# KiCad board WLED Matrix.kicad_pcb (continued)
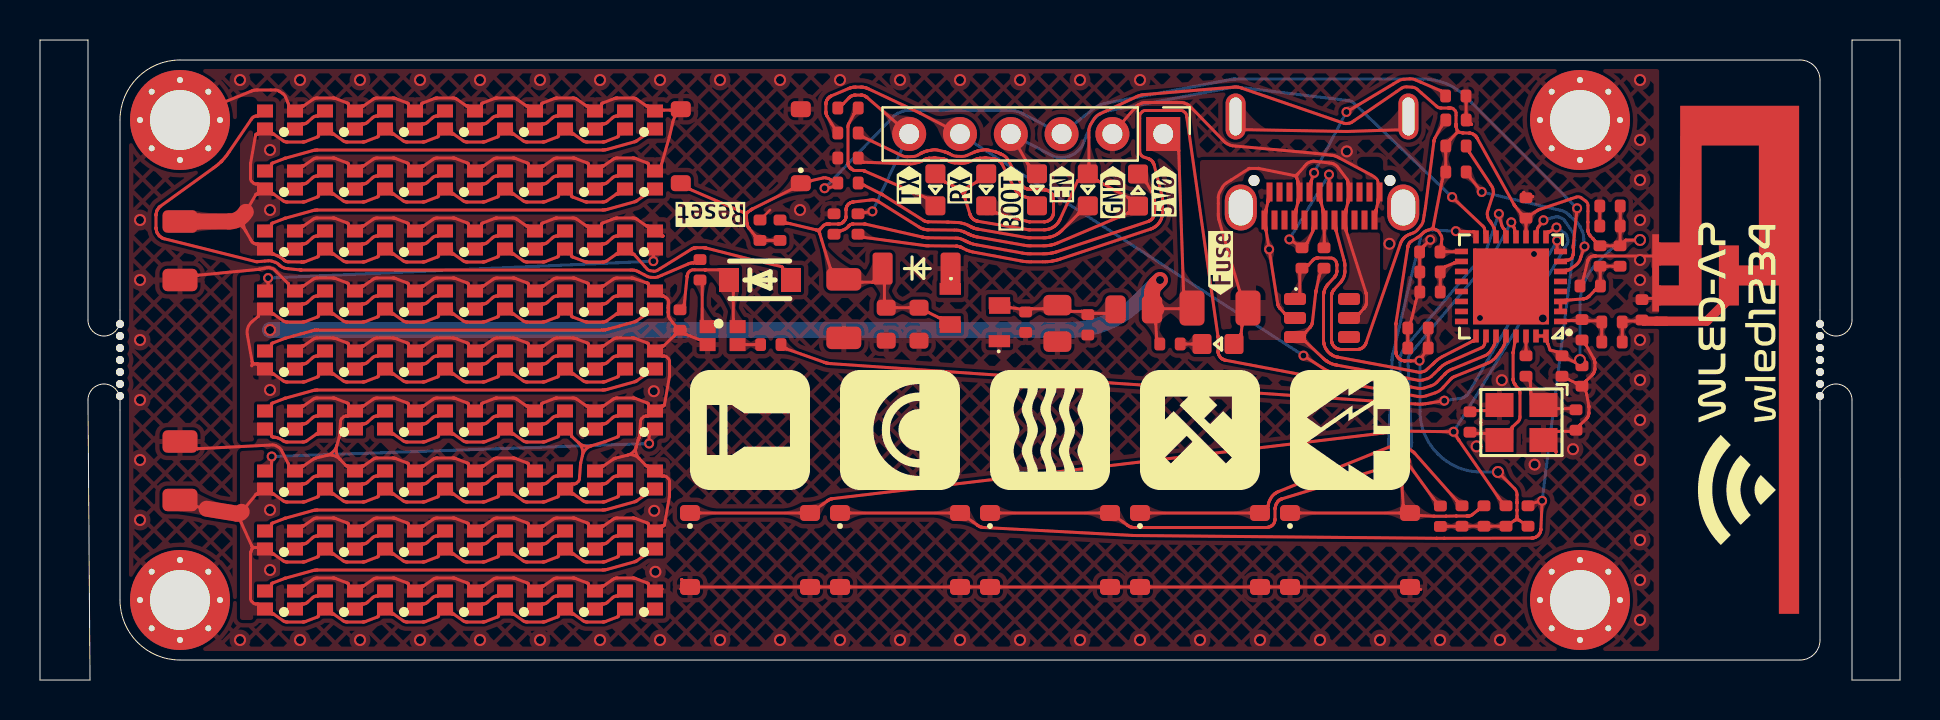
[diagram p0: board, top side]
## Routing (per net, layer and track width the routed paths; a pad name or vN(x,y) marks a point on that pad's centre or on a via; arc(x,y) is an arc through that point) (continued)
Net-(RGB56-DO): length 1.8
  Top w0.15: RGB56.1 28.05,6.78 arc(28.08,6.79) 28.11,6.8 28.18,6.8 arc(28.21,6.8) 28.24,6.81 28.29,6.83 arc(28.32,6.84) 28.34,6.86 28.66,7.14 arc(28.68,7.16) 28.71,7.17 28.76,7.19 arc(28.79,7.2) 28.82,7.2 28.89,7.2 arc(28.92,7.21) 28.95,7.22 RGB57.4
Net-(RGB57-DO): length 20.1
  Top w0.15: RGB57.1 30.45,6.32 arc(30.42,6.31) 30.39,6.3 30.34,6.3 arc(30.34,6.3) 30.33,6.3 30.32,6.29 arc(30.32,6.29) 30.31,6.29 arc(30.31,6.29) 30.3,6.28 29.82,5.95 arc(29.81,5.94) 29.8,5.94 29.78,5.92 arc(29.76,5.92) 29.75,5.92 29.72,5.91 28.37,5.53 28.32,5.52 arc(28.3,5.51) 28.27,5.51 28.22,5.5 arc(28.2,5.5) 28.17,5.5 13.83,5.5 arc(13.8,5.5) 13.78,5.5 13.73,5.49 arc(13.7,5.49) 13.68,5.48 13.63,5.47 12.27,5.09 arc(12.26,5.09) 12.26,5.09 arc(12.26,5.09) 12.25,5.08 12.24,5.08 arc(12.24,5.08) 12.24,5.08 arc(12.23,5.08) 12.23,5.08 11.61,4.84 arc(11.6,4.84) 11.59,4.83 11.58,4.81 arc(11.58,4.8) 11.57,4.79 11.57,4.74 arc(11.57,4.7) 11.55,4.68 RGB58.4
Net-(RGB58-DO): length 1.8
  Top w0.15: RGB59.4 13.95,4.22 arc(13.92,4.21) 13.89,4.2 13.82,4.2 arc(13.79,4.2) 13.76,4.19 13.71,4.17 arc(13.68,4.16) 13.66,4.14 13.34,3.86 arc(13.32,3.84) 13.29,3.83 13.24,3.81 arc(13.21,3.8) 13.18,3.8 13.11,3.8 arc(13.08,3.79) 13.05,3.78 RGB58.1
Net-(RGB59-DO): length 1.8
  Top w0.15: RGB59.1 16.05,3.78 arc(16.08,3.79) 16.11,3.8 16.18,3.8 arc(16.21,3.8) 16.24,3.81 16.29,3.83 arc(16.32,3.84) 16.34,3.86 16.66,4.14 arc(16.68,4.16) 16.71,4.17 16.76,4.19 arc(16.79,4.2) 16.82,4.2 16.89,4.2 arc(16.92,4.21) 16.95,4.22 RGB60.4
Net-(RGB60-DO): length 1.8
  Top w0.15: RGB60.1 19.05,3.78 arc(19.08,3.79) 19.11,3.8 19.18,3.8 arc(19.21,3.8) 19.24,3.81 19.29,3.83 arc(19.32,3.84) 19.34,3.86 19.66,4.14 arc(19.68,4.16) 19.71,4.17 19.76,4.19 arc(19.79,4.2) 19.82,4.2 19.89,4.2 arc(19.92,4.21) 19.95,4.22 RGB61.4
Net-(RGB61-DO): length 1.8
  Top w0.15: RGB61.1 22.05,3.78 arc(22.08,3.79) 22.11,3.8 22.18,3.8 arc(22.21,3.8) 22.24,3.81 22.29,3.83 arc(22.32,3.84) 22.34,3.86 22.66,4.14 arc(22.68,4.16) 22.71,4.17 22.76,4.19 arc(22.79,4.2) 22.82,4.2 22.89,4.2 arc(22.92,4.21) 22.95,4.22 RGB62.4
Net-(RGB62-DO): length 1.8
  Top w0.15: RGB62.1 25.05,3.78 arc(25.08,3.79) 25.11,3.8 25.18,3.8 arc(25.21,3.8) 25.24,3.81 25.29,3.83 arc(25.32,3.84) 25.34,3.86 25.66,4.14 arc(25.68,4.16) 25.71,4.17 25.76,4.19 arc(25.79,4.2) 25.82,4.2 25.89,4.2 arc(25.92,4.21) 25.95,4.22 RGB63.4
Net-(RGB63-DO): length 1.8
  Top w0.15: RGB63.1 28.05,3.78 arc(28.08,3.79) 28.11,3.8 28.18,3.8 arc(28.21,3.8) 28.24,3.81 28.29,3.83 arc(28.32,3.84) 28.34,3.86 28.66,4.14 arc(28.68,4.16) 28.71,4.17 28.76,4.19 arc(28.79,4.2) 28.82,4.2 28.89,4.2 arc(28.92,4.21) 28.95,4.22 RGB64.4
Net-(U3-GPIO2): length 9.5
  Top w0.15: U3.6 76.24,20.48 arc(76.28,20.49) 76.32,20.49 76.38,20.49 arc(76.4,20.49) 76.42,20.5 76.47,20.51 arc(76.49,20.52) 76.51,20.54 76.81,20.76 arc(76.86,20.79) 76.89,20.84 76.96,20.94 arc(76.99,20.99) 77.01,21.04 77.02,21.09 arc(77.03,21.1) 77.03,21.11 arc(77.03,21.11) 77.03,21.12 77.04,21.14 arc(77.04,21.16) 77.05,21.18 v2(77.23,21.68) ; R7.2 71.52,25.11 arc(71.52,25.1) 71.52,25.1 arc(71.52,25.1) 71.52,25.1 v2(72.09,24.4)
  Bottom w0.15: v2(77.23,21.68) 77.2,21.98 77.17,22.22 arc(77.15,22.34) 77.11,22.46 77,22.68 arc(76.93,22.78) 76.85,22.87 76.51,23.19 arc(76.5,23.2) 76.49,23.21 76.48,23.22 arc(76.47,23.22) 76.47,23.23 76.42,23.28 arc(76.37,23.32) 76.32,23.36 76.21,23.42 arc(76.15,23.45) 76.09,23.47 75.96,23.5 v2(72.09,24.4)
Net-(U3-GPIO8): length 5.1
  Top w0.15: R4.2 71.47,26.39 arc(71.47,26.38) 71.47,26.38 arc(71.47,26.38) 71.47,26.38 71.47,26.38 arc(71.48,26.38) 71.48,26.37 72.53,24.77 72.6,24.66 arc(72.63,24.61) 72.65,24.54 72.67,24.41 arc(72.67,24.35) 72.66,24.29 72.42,23.55 72.37,23.41 arc(72.36,23.34) 72.36,23.27 72.39,23.13 arc(72.41,23.06) 72.45,23 72.49,22.95 arc(72.5,22.95) 72.5,22.94 arc(72.5,22.93) 72.51,22.93 72.51,22.92 arc(72.52,22.91) 72.53,22.9 72.55,22.88 arc(72.56,22.86) 72.56,22.85 arc(72.57,22.84) 72.58,22.82 72.7,22.61 arc(72.7,22.6) 72.71,22.59 72.72,22.57 arc(72.72,22.56) 72.72,22.55 72.73,22.51 arc(72.73,22.48) 72.73,22.45 72.73,22.44 arc(72.74,22.41) 72.74,22.37 U3.14
Net-(U3-U0TXD): length 52
  Top w0.15: U3.28 73.24,16.99 arc(73.24,16.95) 73.24,16.91 73.24,16.89 arc(73.24,16.88) 73.24,16.86 arc(73.23,16.84) 73.23,16.82 73.22,16.78 arc(73.21,16.76) 73.2,16.74 73.06,16.5 arc(73.05,16.49) 73.05,16.48 73.04,16.46 arc(73.03,16.46) 73.03,16.45 72.89,16.26 72.79,16.14 arc(72.74,16.08) 72.69,16.03 72.56,15.94 arc(72.5,15.89) 72.43,15.86 70.76,15.19 70.7,15.16 arc(70.67,15.15) 70.64,15.13 70.59,15.1 arc(70.57,15.08) 70.54,15.05 70.41,14.9 70.14,14.6 arc(69.96,14.46) 69.76,14.36 69.32,14.21 arc(69.1,14.17) 68.88,14.18 68.42,14.26 64.7,14.96 arc(64.7,14.96) 64.69,14.96 arc(64.69,14.96) 64.69,14.96 59.32,15.98 arc(59.31,15.98) 59.31,15.98 arc(59.31,15.98) 59.31,15.98 59.24,16 arc(59.22,16) 59.21,16 59.18,16.02 arc(59.16,16.02) 59.15,16.03 59.11,16.06 arc(59.11,16.06) 59.11,16.06 arc(59.11,16.06) 59.11,16.06 59.07,16.08 arc(59.06,16.09) 59.05,16.1 59.03,16.13 arc(59.02,16.14) 59.01,16.15 58.96,16.23 arc(58.95,16.24) 58.94,16.25 58.93,16.28 arc(58.92,16.3) 58.92,16.31 58.91,16.35 arc(58.91,16.36) 58.91,16.36 arc(58.91,16.36) 58.91,16.37 58.91,16.39 arc(58.9,16.39) 58.9,16.4 arc(58.9,16.41) 58.9,16.41 58.9,16.43 arc(58.9,16.44) 58.9,16.44 58.9,17.16 arc(58.9,17.16) 58.9,17.17 58.9,17.18 arc(58.9,17.18) 58.9,17.19 58.9,17.2 57.32,28.26 arc(57.31,28.31) 57.27,28.36 57.18,28.44 arc(57.13,28.46) 57.07,28.48 55.24,28.48 arc(55.18,28.46) 55.13,28.43 55.03,28.33 arc(55,28.28) 54.98,28.22 54.98,26.4 arc(54.99,26.35) 55.02,26.3 55.08,26.22 arc(55.11,26.18) 55.16,26.16 55.42,26.07 arc(55.43,26.06) 55.44,26.06 55.46,26.05 arc(55.47,26.05) 55.48,26.04 55.55,25.99 arc(55.56,25.98) 55.57,25.97 55.6,25.95 arc(55.61,25.94) 55.62,25.93 55.64,25.89 arc(55.64,25.89) 55.64,25.89 arc(55.64,25.89) 55.64,25.89 55.67,25.85 arc(55.67,25.84) 55.68,25.83 55.69,25.8 arc(55.7,25.79) 55.7,25.78 55.71,25.75 56.09,24.28 arc(56.09,24.26) 56.1,24.24 arc(56.1,24.22) 56.1,24.2 56.12,24.15 arc(56.12,24.13) 56.12,24.11 56.12,24.08 arc(56.13,24.06) 56.13,24.04 56.13,23.36 arc(56.13,23.34) 56.12,23.32 56.12,23.29 arc(56.12,23.27) 56.12,23.25 56.09,23.14 arc(56.08,23.11) 56.07,23.07 56.05,23.01 arc(56.03,22.98) 56.01,22.94 55.94,22.84 arc(55.92,22.81) 55.89,22.78 55.84,22.73 arc(55.82,22.71) 55.79,22.69 55.69,22.62 arc(55.67,22.61) 55.65,22.6 55.6,22.57 arc(55.58,22.56) 55.56,22.56 50.96,21.03 arc(50.92,21.02) 50.89,21.01 50.82,20.99 arc(50.78,20.98) 50.75,20.97 50.6,20.94 arc(50.54,20.93) 50.49,20.93 50.37,20.92 arc(50.31,20.91) 50.26,20.91 49.45,20.91 arc(49.39,20.91) 49.34,20.91 49.23,20.92 arc(49.18,20.93) 49.13,20.94 49.02,20.96 46.79,21.37 46.63,21.4 arc(46.55,21.42) 46.47,21.45 46.32,21.5 arc(46.24,21.53) 46.17,21.57 46.11,21.61 arc(46.1,21.61) 46.1,21.62 46.08,21.63 arc(46.07,21.63) 46.07,21.63 46.05,21.64 arc(46.04,21.64) 46.03,21.65 arc(46.02,21.65) 46.01,21.65 46,21.66 arc(45.99,21.66) 45.99,21.66 arc(45.98,21.66) 45.98,21.66 45.87,21.69 arc(45.86,21.69) 45.86,21.69 45.84,21.69 arc(45.83,21.7) 45.82,21.7 44.43,21.71 44.38,21.71 arc(44.36,21.71) 44.33,21.71 44.29,21.72 arc(44.26,21.72) 44.24,21.72 44.19,21.73 41.22,22.13 arc(41.22,22.13) 41.22,22.13 41.22,22.13 arc(41.22,22.13) 41.21,22.13 R23.1
Net-(U3-VDD_SPI_(OUTPUT)): length 2.2
  Top w0.15: U3.18 70.86,20.87 arc(70.82,20.86) 70.79,20.86 70.74,20.86 arc(70.74,20.86) 70.74,20.86 70.73,20.86 arc(70.73,20.86) 70.72,20.86 arc(70.72,20.86) 70.71,20.85 70.26,20.66 arc(70.26,20.66) 70.26,20.66 arc(70.26,20.66) 70.26,20.66 arc(70.26,20.66) 70.25,20.66 70.09,20.49 arc(70.03,20.39) 70.01,20.28 C56.1
Net-(U3-XTAL_P): length 1
  Top w0.15: U3.30 74.3,16.84 74.3,16.37 R6.1

## Copper pours and planes (outline as drawn; the poured copper is in the pictures)
+5V on Top, Bottom: 10,29 10,3 12,3 12,29
GND on Top, Bottom: 4,31 81,31 81,1 4,1
VBUS on Top: 58,26 58,17 67,17 67,26

Small or netless copper shapes (teardrops, artwork), in the pictures only: 323 on Top, 34 on Bottom

## Text on the board
User.Drawings: Boot Should be pulled high | Missing Connection to GND | 3V3 LDO Flipped
